# Altium PCB Sampler.PCBDOC (part 5 of 5) (continued)
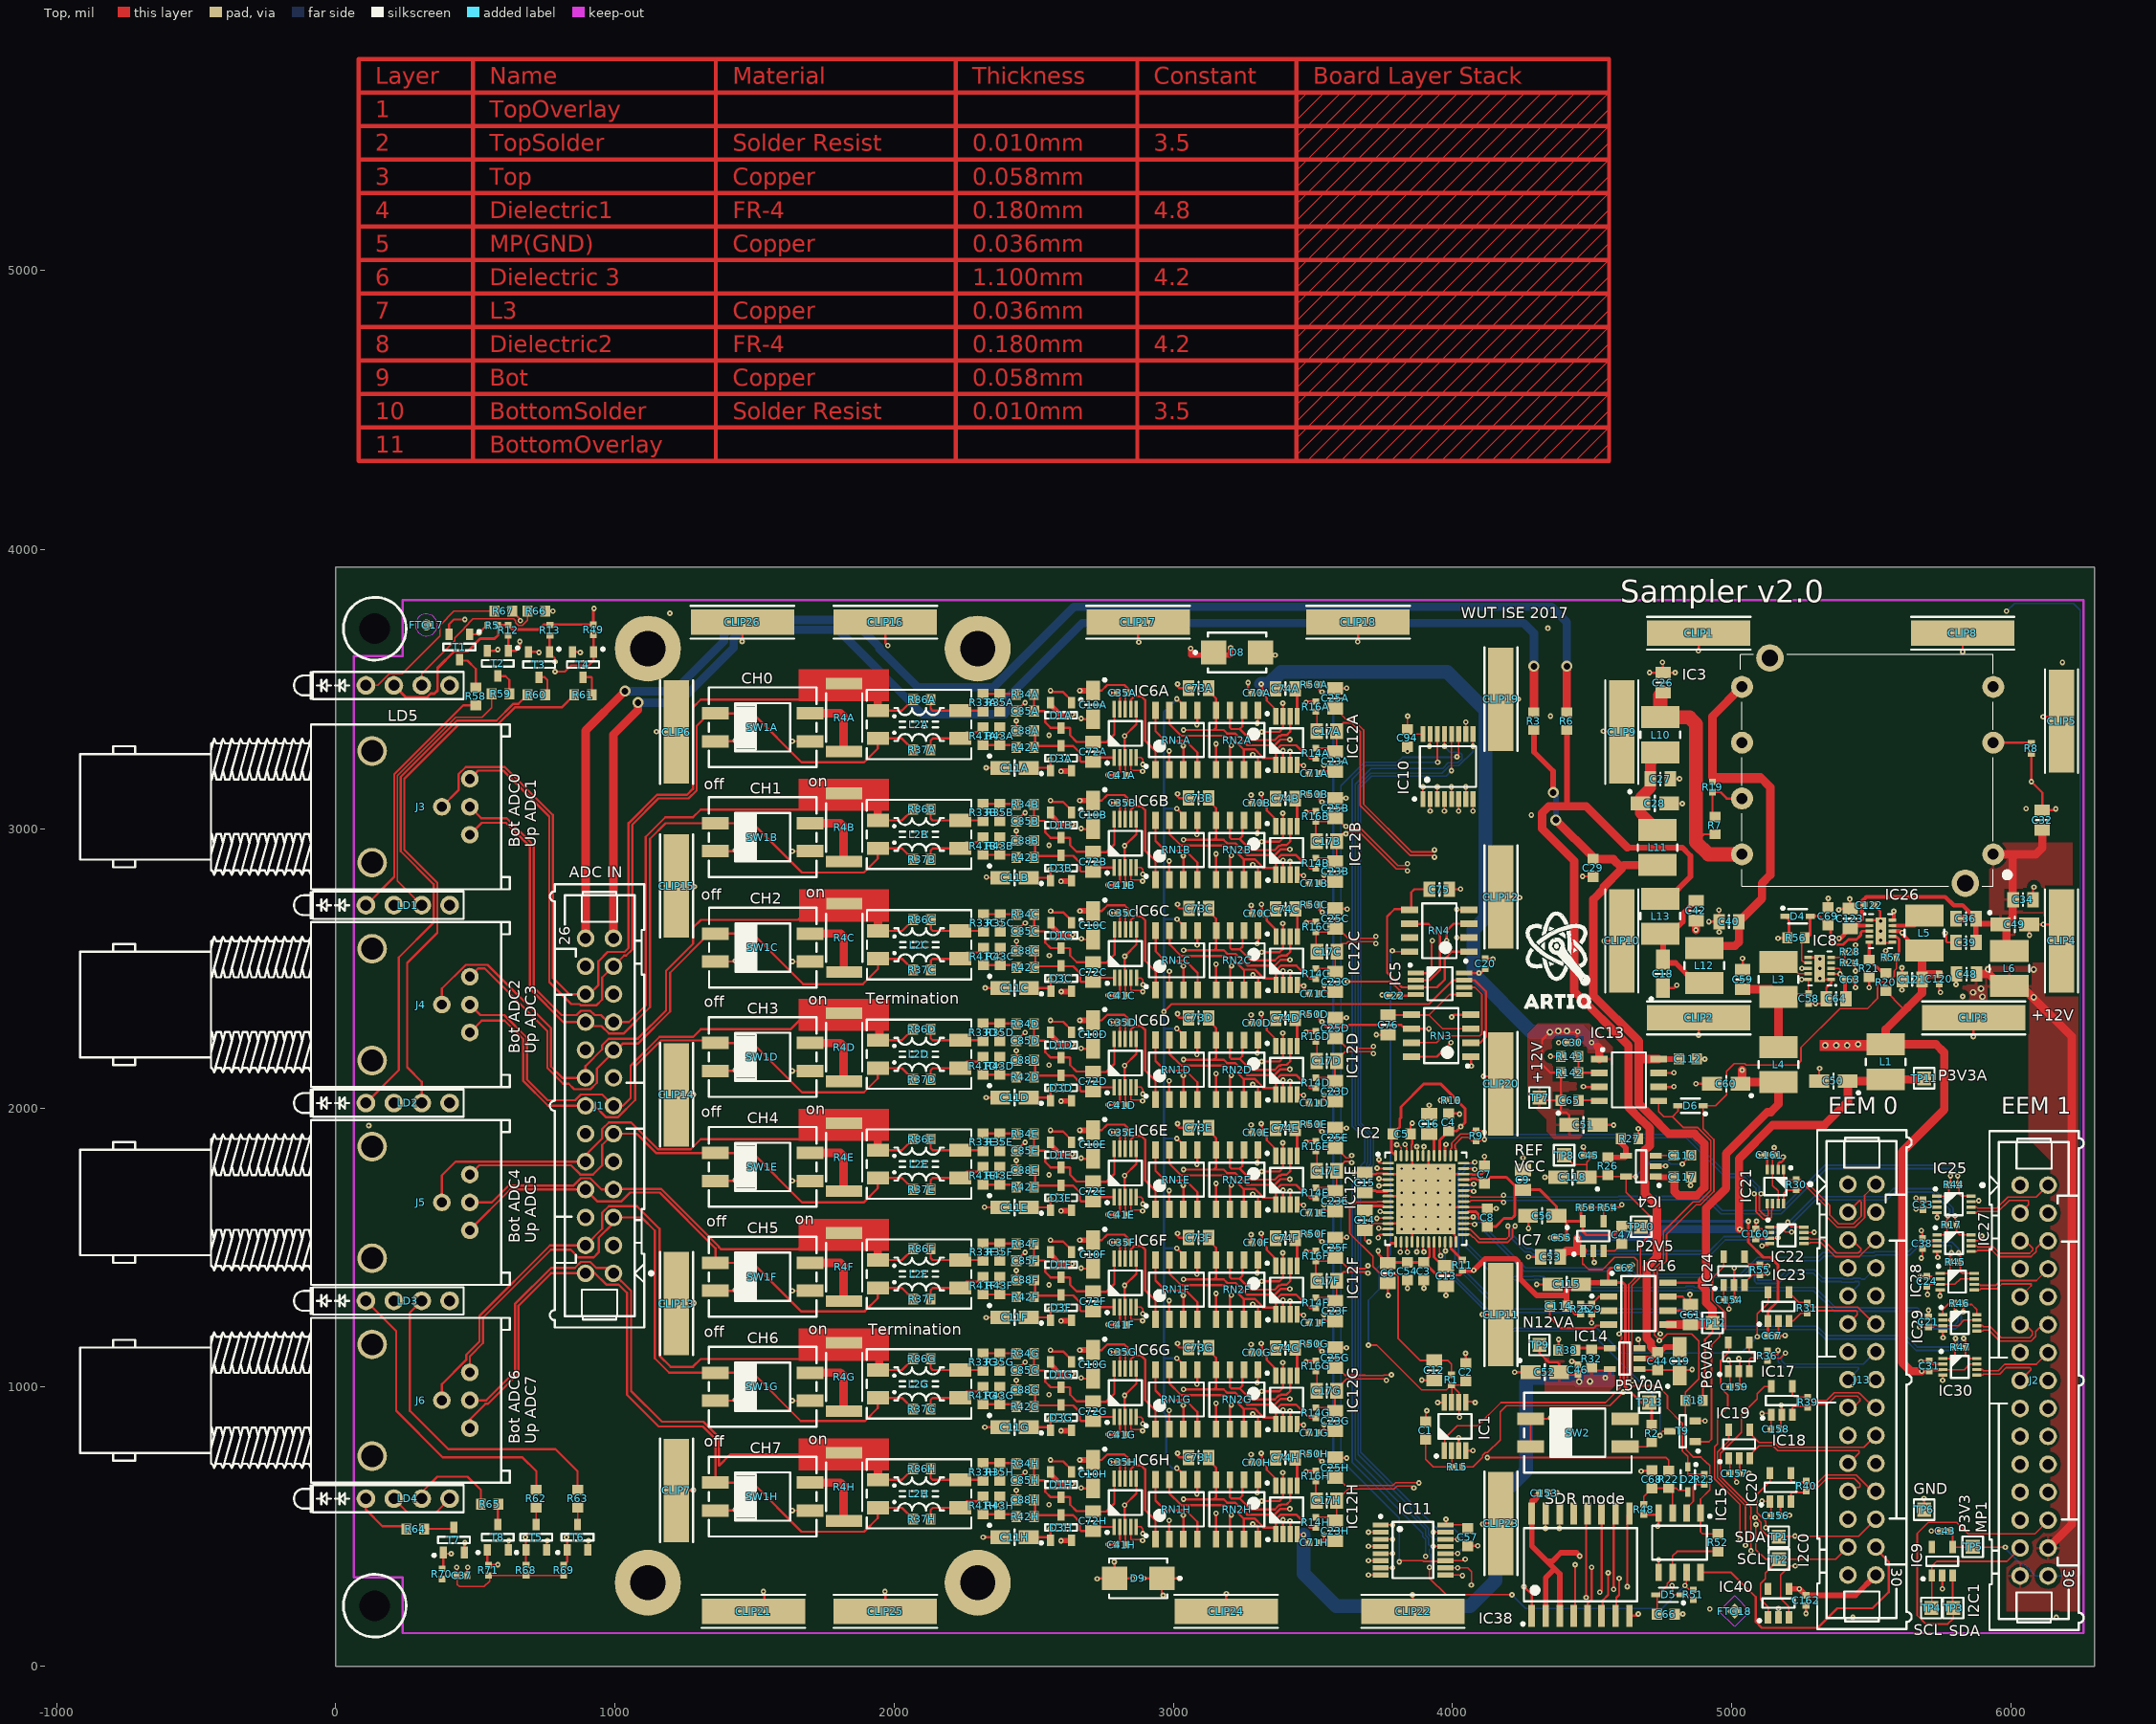
[diagram p0: Top view]
## Nets (pads, with @x,y where several pads share a name; then routed paths per layer and width w, separated by ;. In a path a pad name is that pad's centre, name@x,y a point inside that pad or via, vN(x,y) a via of type N, cw(c..) or ccw(c..) an arc to the next point about the centre after c; other vN are vias at no path point) (continued)
PGIA-SCK: IC10.11 IC11.11 IC17.5 | length 5455.2
  Top w6: v1(3809.06,374.02) 3813.25,378.21 3893.44,378.21 3895.8,375.86 3972.25,375.86 IC11.11@3974.6,378.21 4039.63,378.21 v1(4045.28,383.86) ; v1(4015.75,3257.87) 4022.03,3264.16 IC10.11@4022.03,3339.26 ; IC17.5@4988.03,1159.9 4990.16,1157.77 4990.16,1125.45 4959.91,1095.2 4959.91,998.15 4985.24,972.83 4985.24,926.18 4948.99,889.94 4948.99,796.62 4938.15,785.78 4938.15,671.21 5029.53,579.83 v1(5029.53,452.76)
  L3 w6: v1(4045.28,383.86) 4192.91,383.86 4264.78,455.73 5026.56,455.73 v1(5029.53,452.76)
  Bot w6: v1(3809.06,374.02) 3809.06,531.5 3600.27,740.28 3600.27,3154.55 3683.91,3238.19 3802.37,3238.19 3820.21,3256.03 4013.91,3256.03 v1(4015.75,3257.87)
REF_P2V0: IC5.7 RN1A.6 RN1B.6 RN1C.6 RN1D.6 RN1E.6 RN1F.6 RN1G.6 RN1H.6 RN2A.8 RN2B.8 RN2C.8 RN2D.8 RN2E.8 RN2F.8 RN2G.8 RN2H.8 RN3.2 | length 9917.5
  Top w8: v1(2966.39,2344.49) 2993.9,2371.99 3915.3,2371.99 4000.98,2457.68 IC5.7@4041.34,2457.68 4078.74,2457.68 4119.09,2417.32 4119.09,2275.52 4118.95,2275.38 4118.95,2253.8 4099.02,2233.86 RN3.2@4065.94,2233.86 ; v1(3012.8,709.65) 3036,686.44 RN1H.6@3036,668.39 ; v1(3012.8,1103.35) 3036,1080.14 RN1G.6@3036,1062.09 ; v1(3012.8,1497.05) 3036,1473.84 RN1F.6@3036,1455.8 ; v1(3012.8,1890.75) 3036,1867.54 RN1E.6@3036,1849.5 ; v1(3012.8,2284.45) 3036,2261.24 RN1D.6@3036,2243.2 ; v1(3012.8,3071.85) 3036,3048.65 RN1B.6@3036,3030.6 ; v1(3012.8,3465.55) 3036,3442.35 RN1A.6@3036,3424.3 ; v1(3013.29,2676.43) 3036.49,2653.22 RN1C.6@3036.49,2635.17 ; v1(3284.45,509.84) 3290.35,503.94 3297.24,503.94 3302.77,498.41 RN2H.8@3302.77,455.72 ; v1(3284.45,903.54) 3290.35,897.64 3297.24,897.64 3302.77,892.11 RN2G.8@3302.77,849.43 ; v1(3284.45,1297.24) 3290.35,1291.34 3297.24,1291.34 3302.77,1285.81 RN2F.8@3302.77,1243.13 ; v1(3284.45,1690.94) 3290.35,1685.04 3297.24,1685.04 3302.77,1679.51 RN2E.8@3302.77,1636.83 ; v1(3284.45,2084.65) 3290.35,2078.74 3297.24,2078.74 3302.77,2073.21 RN2D.8@3302.77,2030.53 ; v1(3284.45,2872.05) 3290.35,2866.14 3297.24,2866.14 3302.77,2860.61 RN2B.8@3302.77,2817.93 ; v1(3284.45,3265.75) 3290.35,3259.84 3297.24,3259.84 3302.77,3254.31 RN2A.8@3302.77,3211.63 ; v1(3284.94,2476.62) 3290.85,2470.72 3297.74,2470.72 3303.27,2465.19 RN2C.8@3303.27,2422.5
  L3 w8: v1(3012.8,709.65) 3012.8,670.28 2992.13,649.61 2992.13,578.54 2957.68,544.09 2957.68,516.73 2978.35,496.06 3270.67,496.06 v1(3284.45,509.84) ; v1(3012.8,1103.35) 3012.8,1063.98 2992.13,1043.31 2992.13,972.24 2957.68,937.8 2957.68,910.43 2978.35,889.76 3270.67,889.76 v1(3284.45,903.54) ; v1(3012.8,1497.05) 3012.8,1457.68 2992.13,1437.01 2992.13,1365.94 2957.68,1331.5 2957.68,1304.13 2978.35,1283.46 3270.67,1283.46 v1(3284.45,1297.24) ; v1(3012.8,1890.75) 3012.8,1851.38 2992.13,1830.71 2992.13,1759.65 2957.68,1725.2 2957.68,1697.83 2978.35,1677.17 3270.67,1677.17 v1(3284.45,1690.94) ; v1(3012.8,2284.45) 3012.8,2245.08 2992.13,2224.41 2992.13,2153.35 2957.68,2118.9 2957.68,2091.54 2978.35,2070.87 3270.67,2070.87 v1(3284.45,2084.65) ; v1(3012.8,3071.85) 3012.8,3032.48 2992.13,3011.81 2992.13,2940.75 2957.68,2906.3 2957.68,2878.94 2978.35,2858.27 3270.67,2858.27 v1(3284.45,2872.05) ; v1(3012.8,3465.55) 3012.8,3426.18 2992.13,3405.51 2992.13,3334.45 2957.68,3300 2957.68,3272.64 2978.35,3251.97 3270.67,3251.97 v1(3284.45,3265.75) ; v1(3013.29,2676.43) 3013.29,2637.06 2992.62,2616.39 2992.62,2545.32 2958.17,2510.87 2958.17,2483.51 2978.84,2462.84 3271.16,2462.84 v1(3284.94,2476.62)
  Bot w8: v1(3012.8,709.65) 2995.08,709.65 2974.41,730.31 2974.41,900.52 2966.39,908.53 2966.39,1105.31 ; v1(3012.8,1103.35) 2968.36,1103.35 2966.39,1105.31 ; v1(3012.8,1497.05) 2967.38,1497.05 2966.39,1496.06 ; v1(3012.8,1890.75) 2967.38,1890.75 2966.39,1891.73 ; v1(3012.8,2284.45) 2969.35,2284.45 2966.39,2287.4 ; v1(3012.8,3071.85) 2970.33,3071.85 2966.39,3075.79 ; v1(3012.8,3465.55) 2966.39,3419.15 2966.39,3075.79 ; v1(3013.29,2676.43) 2969.1,2676.43 2966.39,2679.13 ; 2966.39,1105.31 2966.39,1496.06 ; 2966.39,1496.06 2966.39,1891.73 ; 2966.39,1891.73 2966.39,2287.4 ; 2966.39,2287.4 v1(2966.39,2344.49) 2966.39,2679.13 ; 2966.39,2679.13 2966.39,3075.79
REF_P2V5: IC5.1 R50A.1 R50B.1 R50C.1 R50D.1 R50E.1 R50F.1 R50G.1 R50H.1 RN3.6 RN4.3 | length 4267.9
  Top w8: R50H.1@3522.44,760.83 3522.44,742.32 3531.5,733.27 v1(3532.48,734.25) ; R50G.1@3522.44,1154.53 3522.44,1136.02 3531.5,1126.97 v1(3532.48,1127.95) ; R50F.1@3522.44,1548.23 3522.44,1529.72 3531.5,1520.67 v1(3532.48,1521.65) ; R50E.1@3522.44,1941.93 3522.44,1923.43 3531.5,1914.37 v1(3532.48,1915.35) ; R50D.1@3522.44,2335.63 3522.44,2317.13 3541.56,2298.01 3541.56,2295.53 3546.83,2290.26 3621.95,2290.26 3628.94,2297.24 3815.94,2297.24 3829.33,2283.86 RN3.6@3853.35,2283.86 3914.96,2283.86 v1(3915.35,2283.46) ; R50B.1@3522.44,3123.03 3522.44,3104.53 3531.5,3095.47 v1(3532.48,3096.46) ; R50A.1@3522.44,3516.73 3522.44,3498.23 3531.5,3489.17 v1(3532.48,3490.16) ; R50C.1@3522.93,2727.61 3522.93,2709.1 3531.99,2700.05 v1(3532.97,2701.03) ; IC5.1@3868.11,2483.27 v1(3917.32,2483.27) 3925.2,2491.14 3925.2,2597.44 v1(3927.17,2599.41) ; v1(3979.33,2599.41) 3979.33,2635.83 4003.35,2659.84 RN4.3@4059.06,2659.84
  L3 w8: v1(3915.35,2283.46) 3917.32,2285.43 v1(3917.32,2483.27) ; v1(3927.17,2599.41) v1(3979.33,2599.41)
  Bot w8: v1@3535,734.09 3572.83,734.09 3572.83,1127.8 ; v1@3535,1127.8 3572.83,1127.8 ; v1@3535,1521.5 3572.83,1521.5 ; v1@3535,1915.2 3572.83,1915.2 ; v1@3535,2308.9 3572.83,2308.9 ; v1@3535,3096.3 3572.83,3096.3 ; v1@3535,3490 3572.83,3490 3572.83,3096.3 ; v1@3535.49,2700.87 3572.83,2700.87 ; 3572.83,1127.8 3572.83,1521.5 ; 3572.83,1521.5 3572.83,1915.2 ; 3572.83,1915.2 3572.83,2308.9 ; 3572.83,2308.9 3572.83,2700.87 ; 3572.83,2700.87 3572.83,3096.3
  other v1: 3532.48,2309.06
REF_P5V0: C2.2 IC1.6 IC1.7 R1.1 R22.1 RN4.8 | length 3008.1
  Top w6: v1(3698.82,1150.59) 3728.35,1150.59 3888.85,990.09 3978.13,990.09 3995.45,1007.41 R1.1@3996.24,1007.41 ; v1(3784.45,2562.99) 3787.6,2559.84 RN4.8@3846.46,2559.84 ; IC1.7@3997.55,948.3 R1.1@3997.55,1006.1 ; v1(4025.59,892.72) 4023.14,895.17 4023.14,980.51 R1.1@3997.55,1006.1 ; C2.2@4047.24,1022.42 4032.23,1007.41 R1.1@3996.24,1007.41 ; v1(4125,748.03) 4763.78,748.03 4773.62,738.19 R22.1@4773.62,700.79 ; R1.1@3996.24,1007.41 R1.1@3997.55,1006.1
  L3 w6: v1(4025.59,892.72) 4125,793.31 v1(4125,748.03)
  Bot w6: v1(3698.82,1150.59) 3698.82,1311.65 3738.31,1351.13 3738.31,1405.03 3728.8,1414.54 3728.8,1424.66 3777.56,1473.43 3777.56,1960.99 3777.69,1961.11 3777.69,1975.89 3777.56,1976.02 3777.56,2556.1 v1(3784.45,2562.99)
REF_VCC: C45.2 C116.2 C118.1 IC4.5 R15.1 R26.2 TP8.1 | length 2200.7
  Top w5: R15.1@4035.74,713.91 4073.17,713.91 4107.66,748.41 4107.66,755.21 4117.82,765.37 4124.63,765.37 4170.28,811.02 4170.28,911.42 4193.24,934.38 4563.32,934.38 v1(4611.22,982.28) ; TP8.1@4399.61,1830.71 4429.13,1801.18 4429.13,1797.73 4479.83,1797.73 4480.32,1797.24 ; C45.2@4505.91,1830.71 4480.32,1805.12 4480.32,1797.24 ; v1(4643.7,1022.64) 4640.14,1026.2 4640.14,1153.7 4641.73,1155.29 4641.73,1363.69 4672.91,1394.87 4672.91,1511.91 4707.7,1546.7 4707.7,1612.19 4622.05,1697.83 IC4.5@4622.05,1753.94 ; v1(4655.51,1753.94) IC4.5@4622.05,1753.94 ; v1(4822.83,1799.21) C116.2@4854.33,1830.71 ; 4480.32,1797.24 C118.1@4480.32,1751.97 4482.28,1753.94 IC4.5@4622.05,1753.94
  L3 w5: v1(4611.22,982.28) 4643.7,1014.76 v1(4643.7,1022.64)
  Bot w5: v1(4655.51,1753.94) 4711.24,1809.67 4769.98,1809.67 4780.43,1799.21 v1(4822.83,1799.21)
TERM_STAT0: IC38.4 R5.2 SW1A.2 T1.1 | length 7404.6
  Top w8: T1.1@480.32,3696.85 509.05,3696.85 v1(512.99,3700.79) R5.2@542.52,3730.32 ; SW1A.2@1359.92,3313.77 1428.03,3313.77 v1(1430.79,3316.53) ; IC38.4@4433.66,181.1 4438.98,186.42 v1(4438.98,364.17)
  L3 w8: v1(512.99,3700.79) 816.93,3700.79 846.46,3671.26 846.46,3444.88 974.41,3316.93 1430.39,3316.93 v1(1430.79,3316.53) 1430.79,2961.93 1609.25,2783.46 1609.25,557.6 1627.83,539.02 1628.3,539.02 1629.92,537.4 2275.13,537.4 2284.17,546.44 2392.64,546.44 2709.55,229.54 4235.44,229.54 4370.08,364.17 v1(4438.98,364.17)
TERM_STAT1: IC38.5 R12.2 SW1B.2 T2.1 | length 7362.3
  Top w8: R12.2@620.08,3692.13 618.11,3690.16 T2.1@618.11,3637.8 646.65,3637.8 659.45,3650.59 v1(659.45,3671.26) ; SW1B.2@1359.92,2920.07 1428.03,2920.07 v1(1430.79,2922.83) ; IC38.5@4483.66,181.1 4483.66,224.73 4498.03,239.1 v1(4498.03,354.33)
  L3 w8: v1(659.45,3671.26) 662.99,3674.8 757.87,3674.8 817.27,3615.4 817.27,3549.8 816.93,3549.46 816.93,3362.47 892.98,3286.42 1395.67,3286.42 1417.79,3264.3 1417.79,2956.54 1430.79,2943.54 v1(1430.79,2922.83) 1590.55,2763.06 1590.55,557.09 1634.33,513.31 2269.42,513.31 2289.55,533.44 2387.26,533.44 2709.35,211.35 4246.78,211.35 4386.61,351.17 4425.33,351.17 4431.17,345.33 4489.03,345.33 v1(4498.03,354.33)
TERM_STAT2: IC38.6 R13.2 SW1C.2 T3.1 | length 6996.9
  Top w8: R13.2@767.72,3692.13 765.75,3690.16 T3.1@765.75,3633.86 765.75,3629.92 785.43,3610.24 v1(785.43,3598.43) ; SW1C.2@1360.42,2524.64 1428.53,2524.64 v1(1431.28,2527.4) ; IC38.6@4533.66,181.1 4537.4,184.84 4537.4,236.22 4557.09,255.91 v1(4557.09,334.65)
  L3 w8: v1(785.43,3598.43) 785.43,3589.64 804.27,3570.8 804.27,3555.19 798.43,3549.35 798.43,3049.99 1321.03,2527.4 v1(1431.28,2527.4) 1431.28,2163.21 1575.99,2018.5 1575.99,540.15 1621.83,494.31 2268.81,494.31 2294.94,520.44 2381.87,520.44 2705.31,197 4261.96,197 4399.61,334.65 4423.47,334.65 4425.79,332.33 4554.77,332.33 v1(4557.09,334.65)
TERM_STAT3: IC38.7 R49.2 SW1D.2 T4.1 | length 7148.8
  Top w8: v1(785.43,3562.99) 820.87,3562.99 843.5,3585.63 906.5,3585.63 923.23,3602.36 T4.1@923.23,3633.86 923.23,3690.16 R49.2@925.2,3692.13 ; SW1D.2@1359.92,2132.67 1428.03,2132.67 v1(1430.79,2135.42) ; IC38.7@4583.66,181.1 4586.61,184.06 4586.61,246.06 4596.46,255.91 v1(4596.46,314.96)
  L3 w8: v1(785.43,3562.99) 785.43,3011.81 1288.69,2508.56 1418.28,2508.56 1418.28,2157.82 1428.03,2148.07 1428.03,2132.67 v1(1430.79,2135.42) 1562.99,2003.22 1562.99,526.57 1610.4,479.16 2272.05,479.16 2300.32,507.44 2376.49,507.44 2699.93,184 4288.33,184 4419.29,314.96 v1(4596.46,314.96)
TERM_STAT4: IC38.9 R68.2 SW1E.2 T5.1 | length 6638.2
  Top w8: R68.2@679.13,362.99 681.1,364.96 T5.1@681.1,417.32 681.1,472.44 679.13,474.41 ; SW1E.2@1359.92,1738.96 1428.03,1738.97 v1(1430.79,1741.72) ; v1(4625.98,285.43) 4625.98,539.57 IC38.9@4633.66,547.24
  L3 w8: v1(679.13,462.6) 679.13,895.67 1375,1591.54 1375,1705.71 1411.01,1741.72 v1(1430.79,1741.72) 1548.23,1624.28 1548.23,1248.97 1548.43,1248.76 1548.43,844.29 1548.23,844.09 1548.23,522.64 1604.7,466.16 2277.43,466.16 2305.71,494.44 2371.1,494.44 2694.54,171 4324.54,171 4451.13,297.59 4581.42,297.59 4603.42,275.59 4625.98,275.59 v1(4625.98,285.43)
TERM_STAT5: IC38.10 R69.2 SW1F.2 T6.1 | length 5841
  Top w8: R69.2@816.93,362.99 828.74,374.8 T6.1@828.74,417.32 828.74,460.63 v1(826.77,462.6) ; SW1F.2@1359.92,1345.27 1428.03,1345.27 v1(1430.79,1348.02) ; v1(4576.77,275.59) 4576.77,540.35 IC38.10@4583.66,547.24
  L3 w8: v1(826.77,462.6) 826.77,905.51 1267.31,1346.05 1428.82,1346.05 v1(1430.79,1348.02) 1529.21,1249.6 1529.21,516.06 1592.11,453.16 2282.82,453.16 2311.09,481.44 2365.72,481.44 2689.16,158 4360.76,158 4446.5,243.75 4446.5,262.13 4468.96,284.59 4535.36,284.59 4544.36,275.59 v1(4576.77,275.59)
TERM_STAT6: IC38.11 R70.2 SW1G.2 T7.1 | length 5635.6
  Top w8: R70.2@383.86,353.15 385.83,355.12 T7.1@385.83,407.48 389.76,403.54 v1(413.39,403.54) ; SW1G.2@1359.92,951.57 1428.03,951.57 v1(1430.79,954.32) ; v1(4527.56,265.75) 4533.66,271.85 IC38.11@4533.66,547.24
  L3 w8: v1(413.39,403.54) 846.46,403.54 886.67,443.76 886.67,847.3 995.66,956.29 1428.82,956.29 v1(1430.79,954.32) 1495.08,890.03 1495.08,527.56 1582.47,440.16 2388.61,440.16 2683.77,145 4377.28,145 4459.5,227.22 4459.5,253.87 4468.5,262.87 4468.5,265.75 v1(4527.56,265.75)
TERM_STAT7: IC38.12 R71.2 SW1H.2 T8.1 | length 4684.1
  Top w8: T8.1@543.31,417.32 543.31,370.87 551.18,362.99 579.53,362.99 v1(580.71,364.17) ; SW1H.2@1359.92,557.86 1428.03,557.86 v1(1430.79,560.62) ; v1(4478.35,246.06) 4478.35,541.93 IC38.12@4483.66,547.24
  L3 w8: v1(580.71,364.17) 875.98,364.17 1072.43,560.62 v1(1430.79,560.62) 1564.28,427.13 2383.26,427.13 2678.39,132 4393.81,132 4478.35,216.54 v1(4478.35,246.06)
pads on no net: FTG17.FTG2 FTG18.1 FTG19.1 FTG20.1 IC3.8 IC3.9 IC8.4 IC9.5 IC26.4 IC38.13 IC40.5 J3.6 J3.7 J4.6 J4.7 J5.6 J5.7 J6.6 J6.7 RN4.7 SW2.4
copper on no net: | length 103141.1
  Top w1: 3440.87,4337.95 3540.55,4437.64 3660.55,4557.64 3780.55,4677.64 3900.55,4797.64 4020.55,4917.64 4140.55,5037.64 4260.55,5157.64 4380.55,5277.64 4500.55,5397.64 4560.55,5457.64 ; 3440.87,4397.95 3480.55,4437.64 3600.55,4557.64 3720.55,4677.64 3840.55,4797.64 3960.55,4917.64 4080.55,5037.64 4200.55,5157.64 4320.55,5277.64 4440.55,5397.64 4560.55,5517.64 ; 3440.87,4457.95 3540.55,4557.64 3660.55,4677.64 3780.55,4797.64 3900.55,4917.64 4020.55,5037.64 4140.55,5157.64 4260.55,5277.64 4380.55,5397.64 4500.55,5517.64 4560.55,5577.64 ; 3440.87,4517.95 3480.55,4557.64 3600.55,4677.64 3720.55,4797.64 3840.55,4917.64 3960.55,5037.64 4080.55,5157.64 4200.55,5277.64 4320.55,5397.64 4440.55,5517.64 4560.55,5637.64 ; 3440.87,4577.95 3540.55,4677.64 3660.55,4797.64 3780.55,4917.64 3900.55,5037.64 4020.55,5157.64 4140.55,5277.64 4260.55,5397.64 4380.55,5517.64 4500.55,5637.64 ; 3440.87,4637.95 3480.55,4677.64 3600.55,4797.64 3720.55,4917.64 3840.55,5037.64 3960.55,5157.64 4080.55,5277.64 4200.55,5397.64 4320.55,5517.64 4440.55,5637.64 ; 3440.87,4697.95 3540.55,4797.64 3660.55,4917.64 3780.55,5037.64 3900.55,5157.64 4020.55,5277.64 4140.55,5397.64 4260.55,5517.64 4380.55,5637.64 ; 3440.87,4757.95 3480.55,4797.64 3600.55,4917.64 3720.55,5037.64 3840.55,5157.64 3960.55,5277.64 4080.55,5397.64 4200.55,5517.64 4320.55,5637.64 ; 3440.87,4817.95 3540.55,4917.64 3660.55,5037.64 3780.55,5157.64 3900.55,5277.64 4020.55,5397.64 4140.55,5517.64 4260.55,5637.64 ; 3440.87,4877.95 3480.55,4917.64 3600.55,5037.64 3720.55,5157.64 3840.55,5277.64 3960.55,5397.64 4080.55,5517.64 4200.55,5637.64 ; 3440.87,4937.95 3540.55,5037.64 3660.55,5157.64 3780.55,5277.64 3900.55,5397.64 4020.55,5517.64 4140.55,5637.64 ; 3440.87,4997.95 3480.55,5037.64 3600.55,5157.64 3720.55,5277.64 3840.55,5397.64 3960.55,5517.64 4080.55,5637.64 ; 3440.87,5057.95 3540.55,5157.64 3660.55,5277.64 3780.55,5397.64 3900.55,5517.64 4020.55,5637.64 ; 3440.87,5117.95 3480.55,5157.64 3600.55,5277.64 3720.55,5397.64 3840.55,5517.64 3960.55,5637.64 ; 3440.87,5177.95 3540.55,5277.64 3660.55,5397.64 3780.55,5517.64 3900.55,5637.64 ; 3440.87,5237.95 3480.55,5277.64 3600.55,5397.64 3720.55,5517.64 3840.55,5637.64 ; 3440.87,5297.95 3540.55,5397.64 3660.55,5517.64 3780.55,5637.64 ; 3440.87,5357.95 3480.55,5397.64 3600.55,5517.64 3720.55,5637.64 ; 3440.87,5417.95 3540.55,5517.64 3660.55,5637.64 ; 3440.87,5477.95 3480.55,5517.64 3600.55,5637.64 ; 3440.87,5537.95 3540.55,5637.64 ; 3440.87,5597.95 3480.55,5637.64 ; 3480.55,4317.64 3600.55,4437.64 3720.55,4557.64 3840.55,4677.64 3960.55,4797.64 4080.55,4917.64 4200.55,5037.64 4320.55,5157.64 4440.55,5277.64 4560.55,5397.64 ; 3540.55,4317.64 3660.55,4437.64 3780.55,4557.64 3900.55,4677.64 4020.55,4797.64 4140.55,4917.64 4260.55,5037.64 4380.55,5157.64 4500.55,5277.64 4560.55,5337.64 ; 3600.55,4317.64 3720.55,4437.64 3840.55,4557.64 3960.55,4677.64 4080.55,4797.64 4200.55,4917.64 4320.55,5037.64 4440.55,5157.64 4560.55,5277.64 ; 3660.55,4317.64 3780.55,4437.64 3900.55,4557.64 4020.55,4677.64 4140.55,4797.64 4260.55,4917.64 4380.55,5037.64 4500.55,5157.64 4560.55,5217.64 ; 3720.55,4317.64 3840.55,4437.64 3960.55,4557.64 4080.55,4677.64 4200.55,4797.64 4320.55,4917.64 4440.55,5037.64 4560.55,5157.64 ; 3780.55,4317.64 3900.55,4437.64 4020.55,4557.64 4140.55,4677.64 4260.55,4797.64 4380.55,4917.64 4500.55,5037.64 4560.55,5097.64 ; 3840.55,4317.64 3960.55,4437.64 4080.55,4557.64 4200.55,4677.64 4320.55,4797.64 4440.55,4917.64 4560.55,5037.64 ; 3900.55,4317.64 4020.55,4437.64 4140.55,4557.64 4260.55,4677.64 4380.55,4797.64 4500.55,4917.64 4560.55,4977.64 ; 3960.55,4317.64 4080.55,4437.64 4200.55,4557.64 4320.55,4677.64 4440.55,4797.64 4560.55,4917.64 ; 4020.55,4317.64 4140.55,4437.64 4260.55,4557.64 4380.55,4677.64 4500.55,4797.64 4560.55,4857.64 ; 4080.55,4317.64 4200.55,4437.64 4320.55,4557.64 4440.55,4677.64 4560.55,4797.64 ; 4140.55,4317.64 4260.55,4437.64 4380.55,4557.64 4500.55,4677.64 4560.55,4737.64 ; 4200.55,4317.64 4320.55,4437.64 4440.55,4557.64 4560.55,4677.64 ; 4260.55,4317.64 4380.55,4437.64 4500.55,4557.64 4560.55,4617.64 ; 4320.55,4317.64 4440.55,4437.64 4560.55,4557.64 ; 4380.55,4317.64 4500.55,4437.64 4560.55,4497.64 ; 4440.55,4317.64 4560.55,4437.64 ; 4500.55,4317.64 4560.55,4377.64
  Top w15: 81.73,4437.64 491.64,4437.64 1361.4,4437.64 2221.17,4437.64 2871.01,4437.64 3440.87,4437.64 4560.55,4437.64 ; 81.73,4557.64 491.64,4557.64 1361.4,4557.64 2221.17,4557.64 2871.01,4557.64 3440.87,4557.64 4560.55,4557.64 ; 81.73,4677.64 491.64,4677.64 1361.4,4677.64 2221.17,4677.64 2871.01,4677.64 3440.87,4677.64 4560.55,4677.64 ; 81.73,4797.64 491.64,4797.64 1361.4,4797.64 2221.17,4797.64 2871.01,4797.64 3440.87,4797.64 4560.55,4797.64 ; 81.73,4917.64 491.64,4917.64 1361.4,4917.64 2221.17,4917.64 2871.01,4917.64 3440.87,4917.64 4560.55,4917.64 ; 81.73,5037.64 491.64,5037.64 1361.4,5037.64 2221.17,5037.64 2871.01,5037.64 3440.87,5037.64 4560.55,5037.64 ; 81.73,5157.64 491.64,5157.64 1361.4,5157.64 2221.17,5157.64 2871.01,5157.64 3440.87,5157.64 4560.55,5157.64 ; 81.73,5277.64 491.64,5277.64 1361.4,5277.64 2221.17,5277.64 2871.01,5277.64 3440.87,5277.64 4560.55,5277.64 ; 81.73,5397.64 491.64,5397.64 1361.4,5397.64 2221.17,5397.64 2871.01,5397.64 3440.87,5397.64 4560.55,5397.64 ; 81.73,5517.64 491.64,5517.64 1361.4,5517.64 2221.17,5517.64 2871.01,5517.64 3440.87,5517.64 4560.55,5517.64 ; 81.73,5637.64 4560.55,5637.64 ; 491.64,5757.64 491.64,4317.64 ; 1361.4,5757.64 1361.4,4317.64 ; 2221.17,5757.64 2221.17,4317.64 ; 2871.01,5757.64 2871.01,4317.64 ; 3440.87,5757.64 3440.87,4317.64 ; 491.64,4317.64 1361.4,4317.64 ; 491.64,4317.64 81.73,4317.64 81.73,5757.64 4560.55,5757.64 4560.55,4317.64 3440.87,4317.64 ; 1361.4,4317.64 2221.17,4317.64 ; 2221.17,4317.64 2871.01,4317.64 ; 2871.01,4317.64 3440.87,4317.64

## Polygon pours and split planes (outlines as drawn)
NetC32_2 on Top "Top Overlay-No Net" (solid, remove dead copper, pour order 2): 6220.97,2951.03 6220.97,2616.39 5994.59,2616.39 5984.75,2626.23 5922,2688.97 5922,2739.47 5922,2789.86 5922,2951.03
P12V0 on Top "ML1_BAL" (solid, remove dead copper, pour order 16): 6259.84,196.85 6259.84,2519.68 5826.77,2519.68 5826.77,2322.83 6062.99,2322.83 6062.99,1889.76 6102.36,1850.39 6141.73,1811.02 6141.73,1614.17 6141.73,511.81 6102.36,472.44 5984.25,354.33 5984.25,196.85
N12V0A on Top "ML1_BAL" (solid, remove dead copper, pour order 18): 4599.86,1097.44 4599.86,1011.28 4567.91,979.33 4564.96,976.38 4330.71,976.38 4330.71,1104.33 4331.69,1105.31 4333.66,1107.28 4590.55,1107.28
P12V0A on Top "ML1_BAL" (solid, remove dead copper, pour order 20): 4573.82,2155.51 4573.82,2218.5 4523.62,2268.7 4490.16,2302.17 4322.83,2302.17 4304.13,2302.17 4275.59,2273.62 4268.7,2266.73 4268.7,2070.87 4268.7,2026.57 4295.28,2000 4336.61,1958.66 4336.61,1924.21 4336.61,1915.35 4363.19,1888.78 4446.85,1888.78 4453.74,1888.78 4469.49,1904.53 4470.47,1905.51 4470.47,1962.6 4470.47,2134.84 4486.22,2150.59 4489.17,2153.54 4571.85,2153.54
P12V0A on Bot "ML1_BAL" (solid, remove dead copper, pour order 6): 2657.48,403.54 2618.11,403.54 2598.43,423.23 2588.58,433.07 2588.58,485.28 2588.58,3543.31 2618.11,3572.83 2736.22,3690.94 3188.98,3690.94 3350.4,3690.94 3395.67,3645.67 3395.67,3533.46 3395.67,639.76 3375.98,620.08 3356.3,620.08 3340.91,620.08 3257.87,703.12 3257.87,3503.94 3248.03,3513.78 3238.19,3523.62 2962.6,3523.62 2903.54,3523.62 2883.86,3503.94 2873.13,3493.21 2736.22,3493.21 2735.34,3493.21 2716.54,3474.41 2716.54,462.6 2657.48,403.54 2627.95,403.54
N12V0A on Bot "ML1_BAL" (solid, remove dead copper, pour order 4): 2500.71,3524.33 2500.71,373.31 2608.27,265.75 2854.33,265.75 3523.62,265.75 3523.62,393.7 2866.14,393.7 2615.2,393.7 2578.74,430.16 2578.74,757.87 2578.74,3523.62 2568.9,3533.46 2509.84,3533.46
N12V0A on Bot "ML1_BAL" (solid, remove dead copper, pour order 10): 3464.57,3248.03 3478.95,3248.03 3523.62,3203.36 3523.62,393.7 3484.25,354.33 3444.88,354.33 3425.2,374.02 3418.31,380.91 3418.31,520.01 3418.31,3241.14 3425.2,3248.03
GND on Bot "ML1_BAL" (solid, remove dead copper, pour order 24): -11.81,3931.1 -5.91,3937.01 6318.9,3937.01 6318.9,27.56 6276.57,-14.76 6270.67,-20.67 0,-20.67
P3V3 on L3 "ML1_BAL" (solid, remove dead copper, pour order 12): 3937.01,708.66 3937.01,236.22 4055.12,118.11 4921.26,118.11 5275.59,118.11 5314.96,157.48 5340,182.52 5340,354.33 5340,379.37 5433.07,472.44 5472.44,511.81 5669.29,511.81 6102.36,511.81 6141.73,551.18 6141.73,2283.46 5275.59,2283.46 4133.86,2283.46 3937.01,2086.61
P12V0 on L3 "ML1_BAL" (solid, remove dead copper, pour order 14): 5354.33,314.96 5354.33,383 5483.14,511.81 5708.66,511.81 6102.36,511.81 6141.73,551.18 6141.73,708.66 6141.73,2305.12 6084.65,2362.2 5866.14,2362.2 5826.77,2362.2 5787.4,2401.57 5787.4,2480.32 5826.77,2519.68 6074.8,2519.68 6259.84,2519.68 6259.84,118.11 5354.33,118.11
GND on L3 "ML1_BAL" (solid, remove dead copper, pour order 22): -5.91,3943.9 6312.01,3943.9 6312.01,2587.6 6277.56,2553.15 6272.64,2558.07 5761.81,2558.07 5717.52,2513.78 5717.52,2337.6 4086.61,2337.6 3998.03,2249.02 3894.69,2145.67 3894.69,18.7 58.07,18.7 8.86,67.91
GND on MP(GND) (split plane): 6278.9,20.1 20.1,20.1 20.1,3916.9 4478.84,3916.9 4478.84,3344.73 4488.68,3334.89 4488.68,2665.6 4980.81,2173.47 5488.19,2173.47 5488.19,2212.84 5010.34,2212.84 4518.21,2704.97 4518.21,3398.41 4518.21,3916.9 6278.9,3916.9

## Keep-outs
KeepOutLayer:
  lines w8: 65,319 240,319 240,119 6259.84,119 6259.84,3819 240,3819 240,3619 65,3619 65,319

## Other copper
Top:
  rectangle net P3V3: 5314.96,2204.72 5501.97,2244.09
  rectangle net ADC_IN_P0: 1658.46,3456.69 1981.3,3571.85
  rectangle net ADC_IN_P1: 1658.46,3064.58 1981.3,3179.73
  rectangle net ADC_IN_P2: 1658.96,2667.57 1981.79,2782.73
  rectangle net ADC_IN_P3: 1658.46,2275.59 1981.3,2390.75
  rectangle net ADC_IN_P4: 1658.46,1881.89 1981.3,1997.05
  rectangle net ADC_IN_P5: 1658.46,1488.19 1981.3,1603.35
  rectangle net ADC_IN_P6: 1658.46,1094.49 1981.3,1209.65
  rectangle net ADC_IN_P7: 1658.46,700.79 1981.3,815.94
  pour cut-out: 4518.21,3398.41 4518.21,2704.97 5010.34,2212.84 5441.93,2212.84 5441.93,2173.47 4980.81,2173.47 4488.68,2665.6 4488.68,3334.89 4478.84,3344.73 4478.84,3984.5 4518.21,3984.5
  text "Layer" at 141.73,5667.64 h60
  text "Name" at 551.64,5667.64 h60
  text "Material" at 1421.4,5667.64 h60
  text "Thickness" at 2281.17,5667.64 h60
  text "Constant" at 2931.01,5667.64 h60
  text "Board Layer Stack" at 3500.87,5667.64 h60
  text "1" at 141.73,5547.64 h60
  text "TopOverlay" at 551.64,5547.64 h60
  text "2" at 141.73,5427.64 h60
  text "TopSolder" at 551.64,5427.64 h60
  text "Solder Resist" at 1421.4,5427.64 h60
  text "0.010mm" at 2281.17,5427.64 h60
  text "3.5" at 2931.01,5427.64 h60
  text "3" at 141.73,5307.64 h60
  text "Top" at 551.64,5307.64 h60
  text "Copper" at 1421.4,5307.64 h60
  text "0.058mm" at 2281.17,5307.64 h60
  text "4" at 141.73,5187.64 h60
  text "Dielectric1" at 551.64,5187.64 h60
  text "FR-4" at 1421.4,5187.64 h60
  text "0.180mm" at 2281.17,5187.64 h60
  text "4.8" at 2931.01,5187.64 h60
  text "5" at 141.73,5067.64 h60
  text "MP(GND)" at 551.64,5067.64 h60
  text "Copper" at 1421.4,5067.64 h60
  text "0.036mm" at 2281.17,5067.64 h60
  text "6" at 141.73,4947.64 h60
  text "Dielectric 3" at 551.64,4947.64 h60
  text "1.100mm" at 2281.17,4947.64 h60
  text "4.2" at 2931.01,4947.64 h60
  text "7" at 141.73,4827.64 h60
  text "L3" at 551.64,4827.64 h60
  text "Copper" at 1421.4,4827.64 h60
  text "0.036mm" at 2281.17,4827.64 h60
  text "8" at 141.73,4707.64 h60
  text "Dielectric2" at 551.64,4707.64 h60
  text "FR-4" at 1421.4,4707.64 h60
  text "0.180mm" at 2281.17,4707.64 h60
  text "4.2" at 2931.01,4707.64 h60
  text "9" at 141.73,4587.64 h60
  text "Bot" at 551.64,4587.64 h60
  text "Copper" at 1421.4,4587.64 h60
  text "0.058mm" at 2281.17,4587.64 h60
  text "10" at 141.73,4467.64 h60
  text "BottomSolder" at 551.64,4467.64 h60
  text "Solder Resist" at 1421.4,4467.64 h60
  text "0.010mm" at 2281.17,4467.64 h60
  text "3.5" at 2931.01,4467.64 h60
  text "11" at 141.73,4347.64 h60
  text "BottomOverlay" at 551.64,4347.64 h60
L3:
  rectangle net GND: 3801.93,1553.15 4001.97,1800.73
  pour cut-out: 4518.21,3398.41 4518.21,2704.97 5010.34,2212.84 5442.91,2212.84 5442.91,2173.47 4980.81,2173.47 4488.68,2665.6 4488.68,3334.89 4478.84,3344.73 4478.84,3984.5 4518.21,3984.5
Bot:
  rectangle net N12V0A: 4437.99,1000.98 4578.74,1062.01
  pour cut-out: 4518.21,3398.41 4518.21,2704.97 5010.34,2212.84 5433.07,2212.84 5433.07,2173.47 4980.81,2173.47 4488.68,2665.6 4488.68,3334.89 4478.84,3344.73 4478.84,3984.5 4518.21,3984.5
MP(GND) (plane layer: these items are gaps in the copper):
  pour cut-out: 4518.21,3398.41 4518.21,2704.97 5010.34,2212.84 5488.19,2212.84 5488.19,2173.47 4980.81,2173.47 4488.68,2665.6 4488.68,3334.89 4478.84,3344.73 4478.84,3984.5 4518.21,3984.5

## Silkscreen, mask and mechanical layers (free items; w line width, h text height)
TopOverlay:
  drawing of 1239 lines, arcs and shapes, not listed
  text "Sampler v2.0" at 4600.39,3811.02 h80
  text "WUT ISE 2017" at 4030.51,3753.94 h40
  text "CH0" at 1453.74,3518.7 h40
  text "on" at 1693.41,3150.27 h40
  text "off" at 1319.39,3140.43 h40
  text "CH1" at 1483.27,3125 h40
  text "Bot ADC0" at 659.45,2933.07 h40 r90
  text "Up ADC1" at 718.5,2933.07 h40 r90
  text "ADC IN" at 836.61,2824.8 h40
  text "on" at 1683.56,2754.18 h40
  text "off" at 1309.55,2744.34 h40
  text "CH2" at 1483.27,2731.3 h40
  text "Termination" at 1898.62,2373.03 h40
  text "on" at 1693.41,2370.32 h40
  text "off" at 1319.39,2360.48 h40
  text "CH3" at 1473.43,2337.6 h40
  text "+12V" at 6072.83,2312.99 h40
  text "Bot ADC2" at 659.45,2194.88 h40 r90
  text "Up ADC3" at 718.5,2194.88 h40 r90
  text "P3V3A" at 5738.19,2096.46 h40
  text "+12V" at 4320.87,2086.61 h39.37 r90
  text "EEM 0" at 5344.49,1978.35 h60
  text "EEM 1" at 5964.57,1978.35 h60
  text "on" at 1683.56,1976.62 h40
  text "off" at 1309.55,1966.78 h40
  text "CH4" at 1473.43,1943.9 h40
  text "REF / VCC" at 4222.44,1771.65 h39.37
  text "on" at 1644.19,1582.92 h40
  text "off" at 1328.74,1574.8 h40
  text "CH5" at 1473.43,1550.2 h40
  text "Bot ADC4" at 659.45,1515.75 h40 r90
  text "Up ADC5" at 718.5,1515.75 h40 r90
  text "P2V5" at 4655.51,1486.22 h39.37
  text "N12VA" at 4250.98,1213.58 h40
  text "on" at 1693.41,1189.22 h40
  text "Termination" at 1907.48,1187.01 h40
  text "off" at 1319.39,1179.38 h40
  text "CH6" at 1473.43,1156.5 h40
  text "P6V0A" at 4930.12,993.11 h39.37 r90
  text "P5V0A" at 4582.68,987.2 h39.37
  text "Bot ADC6" at 659.45,797.24 h40 r90
  text "Up ADC7" at 718.5,797.24 h40 r90
  text "on" at 1693.41,795.52 h40
  text "off" at 1319.39,785.68 h40
  text "CH7" at 1483.27,762.8 h40
  text "GND" at 5651.57,616.14 h39.37
  text "SDR mode" at 4330.71,580.71 h40
  text "P3V3 / MP1" at 5913.39,477.36 h39.37 r90
  text "SDA" at 5009.84,442.91 h39.37
  text "SCL" at 5019.68,364.17 h39.37
  text "I2C0" at 5275.59,354.33 h39.37 r90
  text "I2C1" at 5885.83,174.21 h39.37 r90
  text "SCL" at 5650.59,110.24 h39.37
  text "SDA" at 5778.54,108.27 h39.37
BottomOverlay:
  drawing of 1237 lines, arcs and shapes, not listed
  text "Sampler v2.0" at 5078.74,275.59 h80
  text "WUT ISE 2017" at 4803.64,119 h40
BottomSolder:
  rectangle: 3806.1,1554.13 4002.95,1795.28
Mechanical1:
  the board outline again, w20
Mechanical4:
  lines w39.37: 1220.47,196.85 1220.47,3740.16 4173.23,3740.16 4173.23,196.85 1220.47,196.85 ; 4606.3,2322.83 4606.3,3700.79 6181.1,3700.79 6181.1,2322.83 4606.3,2322.83

## Text inside footprints (layer, text, board x,y; h text height)
J1: TopOverlay "26" at 839.88,2582.87 h40 r90; Mechanical14 "26" at 839.88,2582.87 h40 r90
J2: TopOverlay "30" at 6187.68,348.62 h40 r270; Mechanical14 "30" at 6187.68,348.62 h40 r270
J13: TopOverlay "30" at 5571,352 h40 r270; Mechanical14 "30" at 5571,352 h40 r270